# Altium PCB drac_v3.PcbDoc (part 4 of 5) (continued)
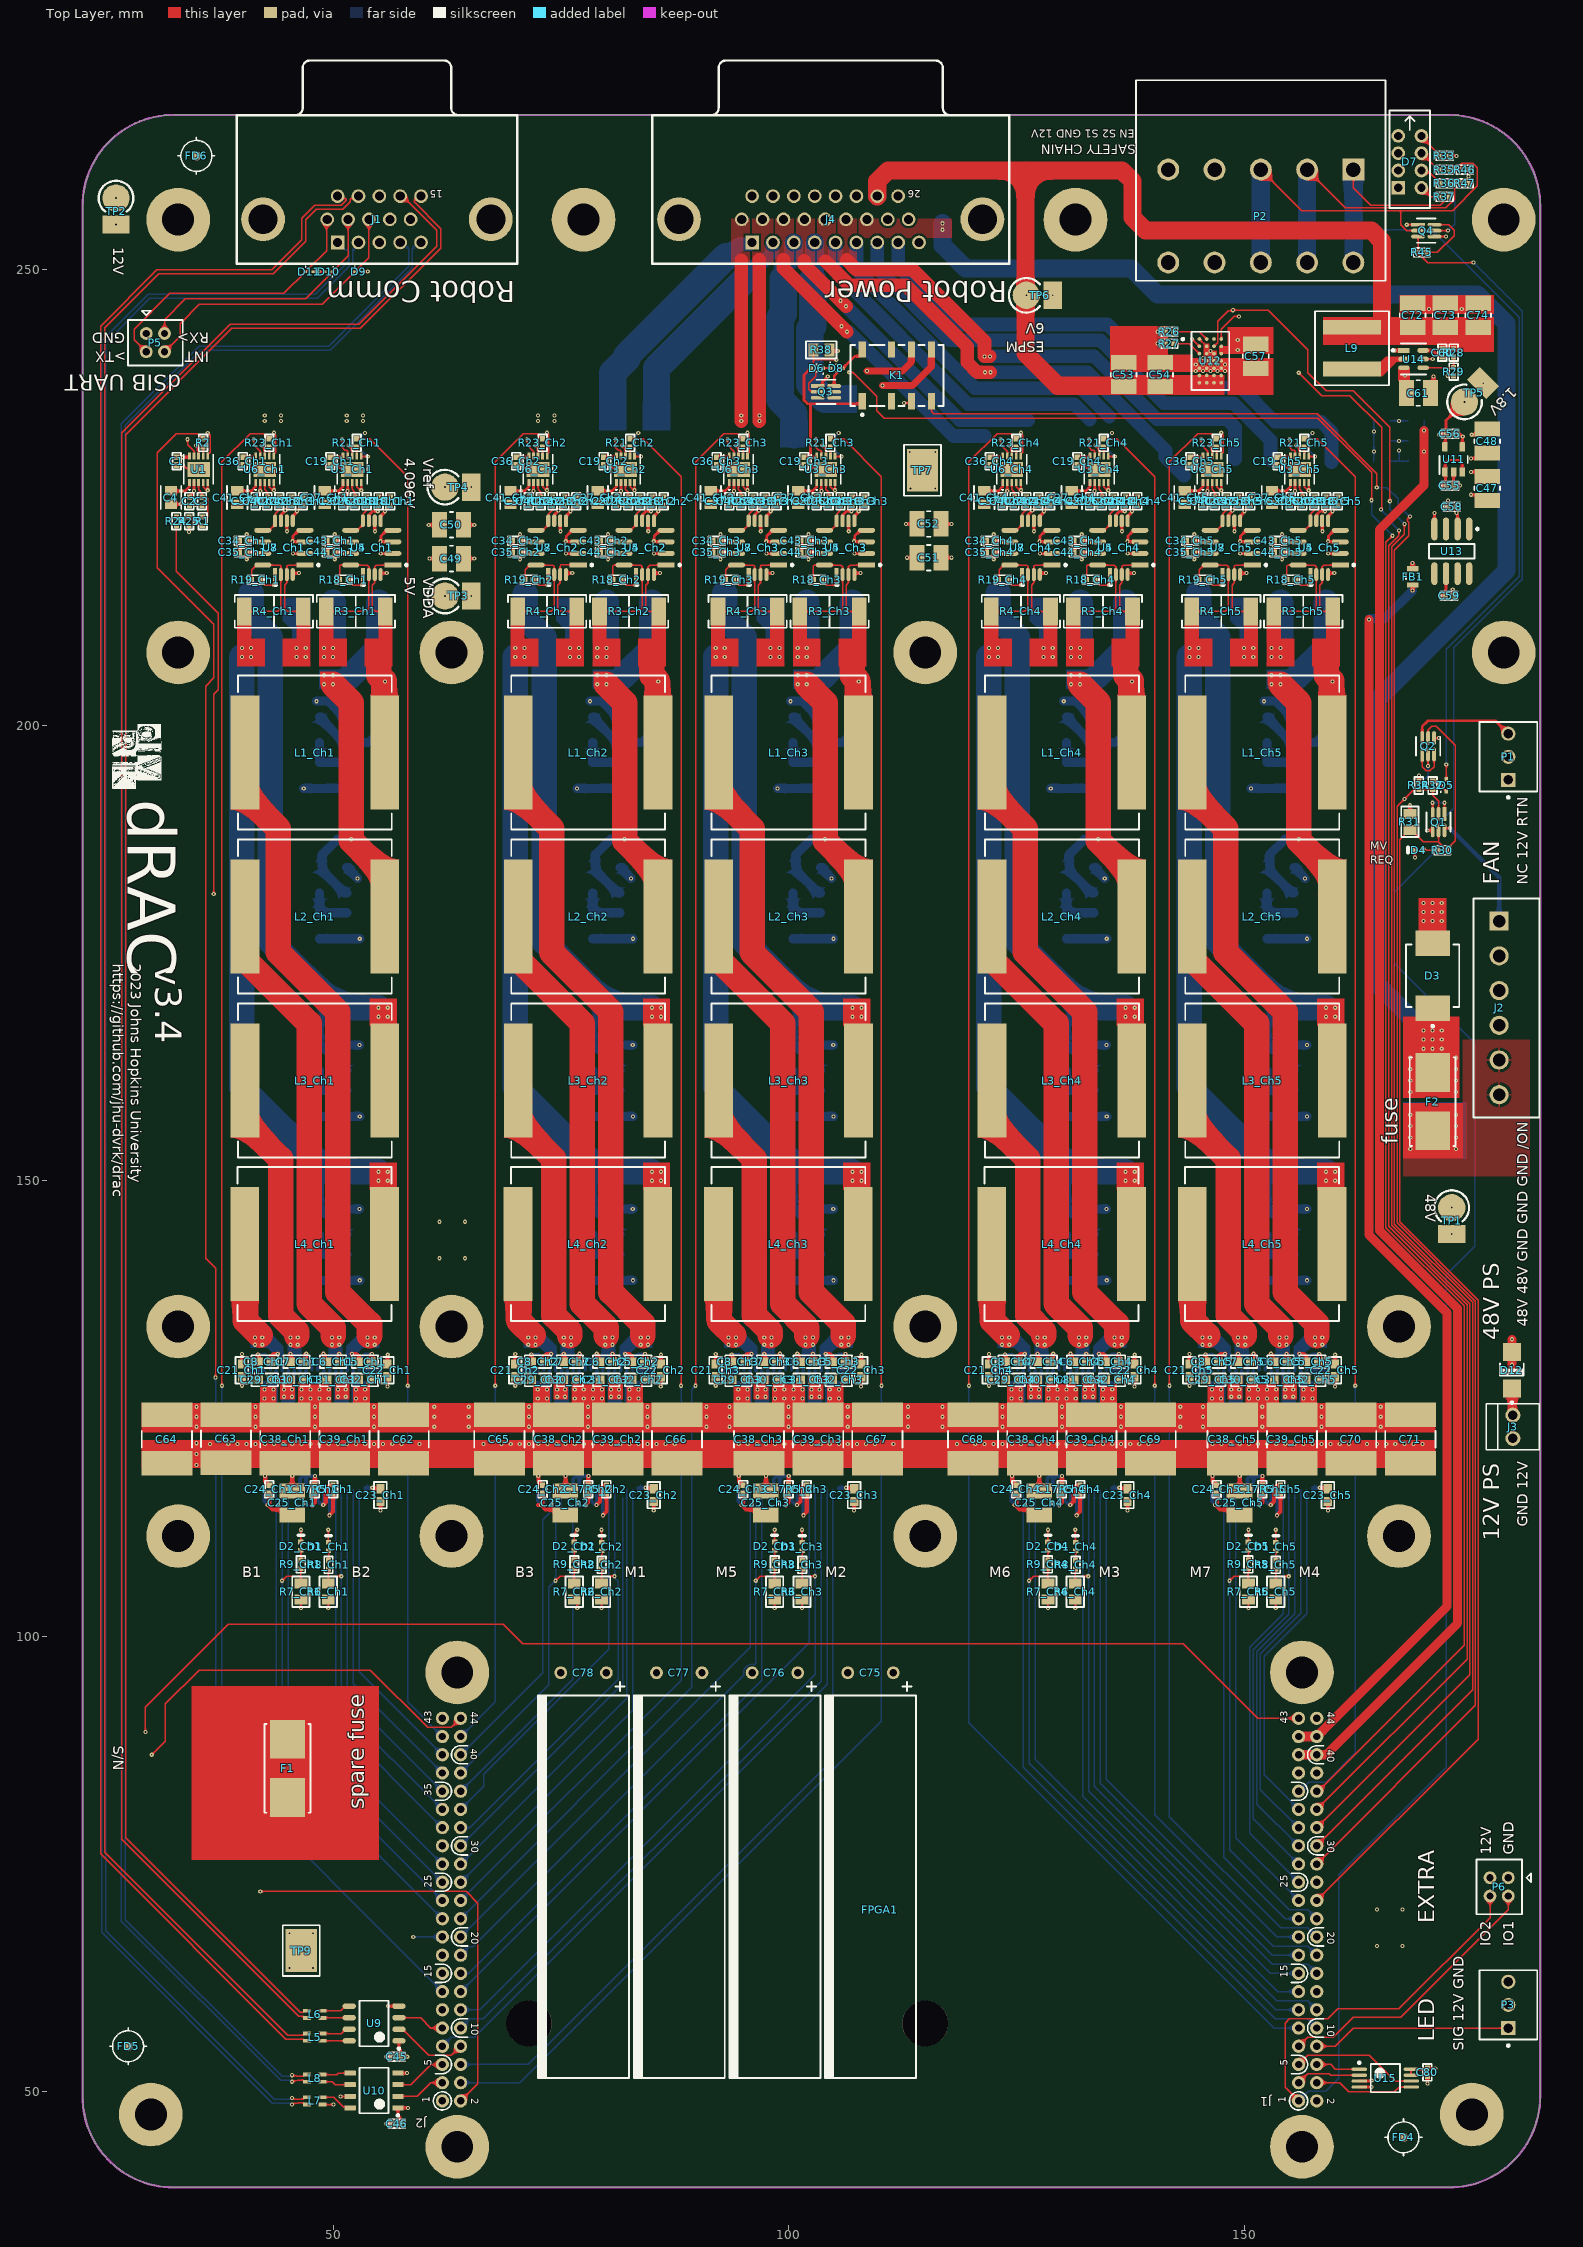
[diagram p0: Top Layer view]
## Nets (pads, with @x,y where several pads share a name; then routed paths per layer and width w, separated by ;. In a path a pad name is that pad's centre, name@x,y a point inside that pad or via, vN(x,y) a via of type N, cw(c..) or ccw(c..) an arc to the next point about the centre after c; other vN are vias at no path point) (continued)
NetD1_Ch1_1: D1_Ch1.1 R8_Ch1.1 | length 1.1
  Top Layer w0.152: R8_Ch1.1@49.5,108.304 D1_Ch1.1@49.5,109.402
NetD1_Ch2_1: D1_Ch2.1 R8_Ch2.1 | length 1.1
  Top Layer w0.152: R8_Ch2.1@79.5,108.304 D1_Ch2.1@79.5,109.402
NetD1_Ch3_1: D1_Ch3.1 R8_Ch3.1 | length 1.1
  Top Layer w0.152: R8_Ch3.1@101.5,108.304 D1_Ch3.1@101.5,109.402
NetD1_Ch4_1: D1_Ch4.1 R8_Ch4.1 | length 1.1
  Top Layer w0.152: R8_Ch4.1@131.5,108.304 D1_Ch4.1@131.5,109.402
NetD1_Ch5_1: D1_Ch5.1 R8_Ch5.1 | length 1.1
  Top Layer w0.152: R8_Ch5.1@153.5,108.304 D1_Ch5.1@153.5,109.402
NetD2_Ch1_1: D2_Ch1.1 R9_Ch1.1 | length 1.1
  Top Layer w0.152: R9_Ch1.1@46.475,108.354 D2_Ch1.1@46.475,109.452
NetD2_Ch2_1: D2_Ch2.1 R9_Ch2.1 | length 1.1
  Top Layer w0.152: R9_Ch2.1@76.475,108.354 D2_Ch2.1@76.475,109.452
NetD2_Ch3_1: D2_Ch3.1 R9_Ch3.1 | length 1.1
  Top Layer w0.152: R9_Ch3.1@98.475,108.354 D2_Ch3.1@98.475,109.452
NetD2_Ch4_1: D2_Ch4.1 R9_Ch4.1 | length 1.1
  Top Layer w0.152: R9_Ch4.1@128.475,108.354 D2_Ch4.1@128.475,109.452
NetD2_Ch5_1: D2_Ch5.1 R9_Ch5.1 | length 1.1
  Top Layer w0.152: R9_Ch5.1@150.475,108.354 D2_Ch5.1@150.475,109.452
NetD4_1: D4.1 R30.1 | length 1.6
  Top Layer w0.152: D4.1@169.65,186.3 R30.1@171.296,186.3
NetD5_1: D5.1 R32.2 | length 2
  Top Layer w0.152: R32.2@170.7,193.852 170.733,193.82 171.12,193.82 172.033,192.907 172.073,192.907 172.2,192.78 D5.1@172.2,192.74
NetD5_2: D5.2 P2.1 P2.6 R37.2 | length 100.1
  Top Layer w0.152: P2.1@162,261 162,259 163.9,257.1 171.554,257.1 172.452,257.998 R37.2@172.452,258 ; D5.2@172.2,194.1 D5.2@172.2,194.06 v1(172.2,195.7)
  Bottom Layer w0.152: 162,254.4 170.6,254.4 180.226,244.774 180.226,216.351 172.2,208.324 v1(172.2,195.7)
  Bottom Layer w2: P2.6@162,250.8 162,254.4 P2.1@162,261
NetD6_1: D6.1 D8.1 | length 0.8
  Top Layer w0.152: D6.1@103.76,239.2 D8.1@104.6,239.2
NetD7_2: D7.2 R37.1 | length 2.5
  Top Layer w0.152: D7.2@169.462,259 170.462,258 R37.1@171.548,258
NetD7_4: D7.4 R36.1 | length 2.7
  Top Layer w0.152: D7.4@169.462,260.9 169.72,260.642 170.408,260.642 171.548,259.502 R36.1@171.548,259.5
NetD7_6: D7.6 R35.1 | length 2.8
  Top Layer w0.152: D7.6@169.462,262.8 171.124,261.137 171.41,261.137 R35.1@171.548,261
NetD7_8: D7.8 R33.1 | length 3.1
  Top Layer w0.152: D7.8@169.462,264.7 169.462,264.588 171.548,262.502 R33.1@171.548,262.5
NetD8_2: D8.2 K1.8 Q3.6 | length 5.7
  Top Layer w0.3: Q3.6@105.001,237.25 105.001,238.321 105.88,239.2 D8.2@105.92,239.2 105.96,239.2 107.26,240.5 107.85,240.5 108.1,240.75 K1.8@108.1,241.25
NetF2_1: F2.1 J2.5 J2.6
  other v1: 168.25,153.5 173.25,153.5 168.25,154.75 173.25,154.75 168.25,156 173.25,156 168.25,157.25 173.25,157.25
NetJ2_1: J2.1 Q1.6 | length 13.2
  Top Layer w0.152: Q1.6@172,188.466 172,188.577 172.123,188.7 v1(172.6,188.7)
  Bottom Layer w0.5: v1(172.6,188.7) 178,183.3 J2.1@178,178.5
NetL5_1: L5.1 U9.8 | length 2.9
  Top Layer w0.152: L5.1@48.85,55.6 48.855,55.595 U9.8@51.775,55.595
NetL5_4: L5.4 U9.7 | length 3.1
  Top Layer w0.152: L5.4@48.85,56.4 50.885,56.4 51.35,56.865 U9.7@51.775,56.865
NetL6_1: L6.1 U9.6 | length 2.9
  Top Layer w0.152: L6.1@48.85,58.1 48.885,58.135 U9.6@51.775,58.135
NetL6_4: L6.4 U9.5 | length 3.1
  Top Layer w0.152: L6.4@48.85,58.9 50.845,58.9 51.35,59.405 U9.5@51.775,59.405
NetL7_1: L7.1 U10.7 | length 3.5
  Top Layer w0.152: L7.1@48.85,48.6 v1(50.05,48.6) ; v1(50.822,49.472) 51.839,49.472 U10.7@51.875,49.508
  Mid Layer 2 w0.152: v1(50.05,48.6) 50.05,48.65 50.822,49.422 v1(50.822,49.472)
NetL7_4: L7.4 U10.8 | length 3.5
  Top Layer w0.152: L7.4@48.85,49.4 50.072,49.4 51.134,48.338 51.775,48.338 U10.8@51.875,48.238
NetL8_1: L8.1 U10.6 | length 3.2
  Top Layer w0.152: L8.1@48.85,51.1 49.925,51.1 50.247,50.778 U10.6@51.875,50.778
NetL8_4: L8.4 U10.5 | length 3.1
  Top Layer w0.152: L8.4@48.85,51.9 50.425,51.9 50.573,52.048 U10.5@51.875,52.048
NetL9_1: L9.1 U14.2
NetP1_3: P1.3 Q2.6 | length 11.6
  Top Layer w0.3: Q2.6@169.55,198.601 169.55,199.85 170.2,200.5 177.58,200.5 P1.3@179,199.08
NetQ1_1: Q1.1 Q1.3 | length 3.8
  Top Layer w0.152: Q1.3@170.7,190.268 v1(170.7,191.5) ; Q1.1@172,190.268 v1(172,191.5)
  Bottom Layer w0.152: v1(170.7,191.5) v1(172,191.5)
NetQ2_1: Q2.1 Q2.3 | length 4.4
  Top Layer w0.152: Q2.1@169.55,196.799 169.55,195.45 170,195 170.4,195 170.85,195.45 Q2.3@170.85,196.799
NetQ4_6: Q4.6 R45.1 | length 6.9
  Top Layer w0.152: R45.1@169.952,251.9 171.212,251.9 173.05,253.738 173.05,254.35 172.45,254.95 Q4.6@170.901,254.95
NetR2_2: R2.2 U1.7 | length 1
  Top Layer w0.152: U1.7@35.737,229.502 R2.2@35.737,230.548
NetR5_Ch1_1: R5_Ch1.1 U2_Ch1.7 | length 5.4
  Top Layer w0.45: v1(49.625,113.279) 49.625,113.32 50,113.695 R5_Ch1.1@50,115.696
  Bottom Layer w0.394: v1@49.625,113.297 U2_Ch1.7@49.625,116.148
NetR5_Ch2_1: R5_Ch2.1 U2_Ch2.7 | length 5.4
  Top Layer w0.45: v1(79.625,113.279) 79.625,113.32 80,113.695 R5_Ch2.1@80,115.696
  Bottom Layer w0.394: v1@79.625,113.297 U2_Ch2.7@79.625,116.148
NetR5_Ch3_1: R5_Ch3.1 U2_Ch3.7 | length 5.4
  Top Layer w0.45: v1(101.625,113.279) 101.625,113.32 102,113.695 R5_Ch3.1@102,115.696
  Bottom Layer w0.394: v1@101.625,113.297 U2_Ch3.7@101.625,116.148
NetR5_Ch4_1: R5_Ch4.1 U2_Ch4.7 | length 5.4
  Top Layer w0.45: v1(131.625,113.279) 131.625,113.32 132,113.695 R5_Ch4.1@132,115.696
  Bottom Layer w0.394: v1@131.625,113.297 U2_Ch4.7@131.625,116.148
NetR5_Ch5_1: R5_Ch5.1 U2_Ch5.7 | length 5.4
  Top Layer w0.45: v1(153.625,113.279) 153.625,113.32 154,113.695 R5_Ch5.1@154,115.696
  Bottom Layer w0.394: v1@153.625,113.297 U2_Ch5.7@153.625,116.148
NetR21_Ch1_2: R21_Ch1.2 U3_Ch1.7 | length 1
  Top Layer w0.152: U3_Ch1.7@52.6,229.502 R21_Ch1.2@52.6,230.5
NetR21_Ch2_2: R21_Ch2.2 U3_Ch2.7 | length 1
  Top Layer w0.152: U3_Ch2.7@82.6,229.502 R21_Ch2.2@82.6,230.5
NetR21_Ch3_2: R21_Ch3.2 U3_Ch3.7 | length 1
  Top Layer w0.152: U3_Ch3.7@104.6,229.502 R21_Ch3.2@104.6,230.5
NetR21_Ch4_2: R21_Ch4.2 U3_Ch4.7 | length 1
  Top Layer w0.152: U3_Ch4.7@134.6,229.502 R21_Ch4.2@134.6,230.5
NetR21_Ch5_2: R21_Ch5.2 U3_Ch5.7 | length 1
  Top Layer w0.152: U3_Ch5.7@156.6,229.502 R21_Ch5.2@156.6,230.5
NetR23_Ch1_2: R23_Ch1.2 U6_Ch1.7 | length 1
  Top Layer w0.152: U6_Ch1.7@43,229.502 R23_Ch1.2@43,230.5
NetR23_Ch2_2: R23_Ch2.2 U6_Ch2.7 | length 1
  Top Layer w0.152: U6_Ch2.7@73,229.502 R23_Ch2.2@73,230.5
NetR23_Ch3_2: R23_Ch3.2 U6_Ch3.7 | length 1
  Top Layer w0.152: U6_Ch3.7@95,229.502 R23_Ch3.2@95,230.5
NetR23_Ch4_2: R23_Ch4.2 U6_Ch4.7 | length 1
  Top Layer w0.152: U6_Ch4.7@125,229.502 R23_Ch4.2@125,230.5
NetR23_Ch5_2: R23_Ch5.2 U6_Ch5.7 | length 1
  Top Layer w0.152: U6_Ch5.7@147,229.502 R23_Ch5.2@147,230.5
NetR26_2: R26.2 U12.A2 | length 4
  Top Layer w0.152: R26.2@142.252,243.2 145.1,243.2 U12.A2@145.9,242.4
NetR27_1: R27.1 U12.C1 | length 3.3
  Top Layer w0.152: R27.1@142.252,241.9 144,241.9 U12.C1@145.1,240.8
NetR28_2: R28.2 R29.2 U14.4 | length 4.5
  Top Layer w0.152: U14.4@169.65,239.25 172.972,239.25 R29.2@173,239.278 R28.2@173,240.448
  Top Layer w0.4: R28.2@172.998,240.448 R28.2@173,240.448
nFAULT1: FPGA1.81 U2_Ch1.3 | length 35.2
  Bottom Layer w0.152: U2_Ch1.3@52.225,116.148 52.225,101.725 52.225,94.775 FPGA1.81@62,85
nFAULT2: FPGA1.72 U2_Ch2.3 | length 48.7
  Bottom Layer w0.152: FPGA1.72@64,75 82.225,93.225 82.225,101.725 U2_Ch2.3@82.225,116.148
nFAULT3: FPGA1.51 U2_Ch3.3 | length 80.1
  Bottom Layer w0.152: FPGA1.51@62,55 63,56 65.5,56 104.225,94.725 104.225,101.725 U2_Ch3.3@104.225,116.148
nFAULT4: FPGA1.17 U2_Ch4.3 | length 61.8
  Bottom Layer w0.152: U2_Ch4.3@134.225,116.148 134.225,83.875 153.1,65 FPGA1.17@155.98,65
nFAULT5: FPGA1.31 U2_Ch5.3 | length 40.7
  Bottom Layer w0.152: FPGA1.31@155.98,79 151.8,83.18 151.8,98.1 156.225,102.525 U2_Ch5.3@156.225,116.148
nOTW1: FPGA1.83 U2_Ch1.2 | length 32.9
  Bottom Layer w0.152: U2_Ch1.2@52.875,116.148 52.875,101.875 52.875,96.125 FPGA1.83@62,87
nOTW2: FPGA1.70 U2_Ch2.2 | length 51
  Bottom Layer w0.152: FPGA1.70@64,73 82.875,91.875 82.875,101.875 U2_Ch2.2@82.875,116.148
nOTW3: FPGA1.50 U2_Ch3.2 | length 84.4
  Bottom Layer w0.152: FPGA1.50@64,53 71.4,53 104.875,86.475 U2_Ch3.2@104.875,116.148
nOTW4: FPGA1.18 U2_Ch4.2 | length 62.9
  Bottom Layer w0.152: U2_Ch4.2@134.875,116.148 134.875,84.325 153.2,66 156.98,66 FPGA1.18@157.98,65
nOTW5: FPGA1.33 U2_Ch5.2 | length 38.7
  Bottom Layer w0.152: FPGA1.33@155.98,81 152.2,84.78 152.2,97.8 156.875,102.475 U2_Ch5.2@156.875,116.148
nRESET1_1: FPGA1.77 R6_Ch1.2 R8_Ch1.2 U2_Ch1.5 | length 42.8
  Top Layer w0.152: R6_Ch1.2@49.475,105.778 49.475,106.576 ; R8_Ch1.2@49.5,107.4 49.475,107.375 49.475,106.576 ; v1(50.9,106.6) 49.499,106.6 49.475,106.576
  Bottom Layer w0.152: U2_Ch1.5@50.925,116.148 50.925,101.625 50.925,92.075 FPGA1.77@62,81
nRESET1_2: FPGA1.76 R6_Ch2.2 R8_Ch2.2 U2_Ch2.5 | length 48.1
  Top Layer w0.152: R6_Ch2.2@79.475,105.778 79.475,106.576 ; R8_Ch2.2@79.5,107.4 79.475,107.375 79.475,106.576 ; v1(80.9,106.6) 79.499,106.6 79.475,106.576
  Bottom Layer w0.152: FPGA1.76@64,79 65,79 81.296,95.296 81.296,106.018 80.986,106.327 80.986,106.514 v1(80.9,106.6) ; v1@80.925,106.6 U2_Ch2.5@80.925,116.148
nRESET1_3: FPGA1.56 R6_Ch3.2 R8_Ch3.2 U2_Ch3.5 | length 77.6
  Top Layer w0.152: R6_Ch3.2@101.475,105.778 101.475,106.576 ; R8_Ch3.2@101.5,107.4 101.475,107.375 101.475,106.576 ; v1(102.9,106.6) 101.499,106.6 101.475,106.576
  Bottom Layer w0.152: FPGA1.56@64,59 66.1,59 102.925,95.825 102.925,101.625 102.925,106.6 U2_Ch3.5@102.925,116.148
nRESET1_4: FPGA1.15 R6_Ch4.2 R8_Ch4.2 U2_Ch4.5 | length 67.6
  Top Layer w0.152: R6_Ch4.2@131.475,105.778 131.475,106.576 ; R8_Ch4.2@131.5,107.4 131.475,107.375 131.475,106.576 ; v1(132.9,106.6) 131.499,106.6 131.475,106.576
  Bottom Layer w0.152: U2_Ch4.5@132.925,116.148 132.925,82.975 152.9,63 FPGA1.15@155.98,63
nRESET1_5: FPGA1.27 R6_Ch5.2 R8_Ch5.2 U2_Ch5.5 | length 47.9
  Top Layer w0.152: R6_Ch5.2@153.475,105.778 153.475,106.576 ; R8_Ch5.2@153.5,107.4 153.475,107.375 153.475,106.576 ; v1(154.9,106.6) 153.499,106.6 153.475,106.576
  Bottom Layer w0.152: U2_Ch5.5@154.925,116.148 154.925,106.6 154.925,102.425 151,98.5 151,79.98 FPGA1.27@155.98,75
nRESET2_1: FPGA1.69 R7_Ch1.2 R9_Ch1.2 U2_Ch1.15 | length 54.4
  Top Layer w0.152: v1(44.4,106.1) 44.914,106.614 46.475,106.614 ; R7_Ch1.2@46.475,105.778 46.475,106.614 ; R9_Ch1.2@46.475,107.45 46.475,106.614
  Bottom Layer w0.152: U2_Ch1.15@44.425,116.148 44.425,101.591 44.425,90.575 FPGA1.69@62,73
nRESET2_2: FPGA1.82 R7_Ch2.2 R9_Ch2.2 U2_Ch2.15 | length 39.4
  Top Layer w0.152: v1(74.4,106.1) 74.914,106.614 76.475,106.614 ; R7_Ch2.2@76.475,105.778 76.475,106.614 ; R9_Ch2.2@76.475,107.45 76.475,106.614
  Bottom Layer w0.152: FPGA1.82@64,85 73.7,94.7 73.7,105.4 v1(74.4,106.1) ; v1@74.425,106.1 U2_Ch2.15@74.425,116.148
nRESET2_3: FPGA1.62 R7_Ch3.2 R9_Ch3.2 U2_Ch3.15 | length 69.1
  Top Layer w0.152: v1(96.4,106.1) 96.914,106.614 98.475,106.614 ; R7_Ch3.2@98.475,105.778 98.475,106.614 ; R9_Ch3.2@98.475,107.45 98.475,106.614
  Bottom Layer w0.147: FPGA1.62@64,65 64.947,65.947 65.347,65.947
  Bottom Layer w0.152: 65.347,65.947 95.098,95.698 95.098,95.761 95.098,95.779 cw(c96,96) 96.221,96.902 96.239,96.902 96.302,96.902 96.425,97.025 U2_Ch3.15@96.425,116.148
nRESET2_4: FPGA1.11 R7_Ch4.2 R9_Ch4.2 U2_Ch4.15 | length 74.8
  Top Layer w0.152: v1(126.4,106.1) 126.914,106.614 128.475,106.614 ; R7_Ch4.2@128.475,105.778 128.475,106.614 ; R9_Ch4.2@128.475,107.45 128.475,106.614
  Bottom Layer w0.152: U2_Ch4.15@126.425,116.148 126.425,106.1 126.425,86.075 153.5,59 FPGA1.11@155.98,59
nRESET2_5: FPGA1.22 R7_Ch5.2 R9_Ch5.2 U2_Ch5.15 | length 56.2
  Top Layer w0.152: v1(148.4,106.1) 148.914,106.614 150.475,106.614 ; R7_Ch5.2@150.475,105.778 150.475,106.614 ; R9_Ch5.2@150.475,107.45 150.475,106.614
  Bottom Layer w0.152: U2_Ch5.15@148.425,116.148 148.425,106.1 148.425,76.555 154.98,70 156.98,70 FPGA1.22@157.98,69
PWM1_N1: FPGA1.79 U2_Ch1.4 | length 37.5
  Bottom Layer w0.152: U2_Ch1.4@51.575,116.148 51.575,101.625 ; 51.6,101.6 51.575,101.625 ; FPGA1.79@62,83 51.575,93.425 51.575,101.625
PWM1_N2: FPGA1.74 U2_Ch2.4 | length 45.6
  Bottom Layer w0.152: FPGA1.74@64,77 81.8,94.8 81.8,115.235
PWM1_N3: FPGA1.54 U2_Ch3.4 | length 76.4
  Bottom Layer w0.152: FPGA1.54@64,57 65,58 66.5,58 103.575,95.075 103.575,101.625 103.575,101.8 U2_Ch3.4@103.575,116.148
PWM1_N4: FPGA1.16 U2_Ch4.4 | length 65.6
  Bottom Layer w0.152: U2_Ch4.4@133.575,116.148 133.575,101.625 ; 133.6,101.6 133.575,101.625 ; FPGA1.16@157.98,63 156.98,64 153.1,64 133.575,83.525 133.575,101.625
PWM1_N5: FPGA1.29 U2_Ch5.4 | length 42.8
  Bottom Layer w0.152: U2_Ch5.4@155.575,116.148 155.575,102.475 151.4,98.3 151.4,81.58 FPGA1.29@155.98,77
PWM1_P1: FPGA1.75 U2_Ch1.6 | length 42
  Bottom Layer w0.152: U2_Ch1.6@50.275,116.148 50.275,101.625 50.275,90.725 FPGA1.75@62,79
PWM1_P2: FPGA1.78 U2_Ch2.6 | length 41.9
  Bottom Layer w0.152: FPGA1.78@64,81 66.551,83.551 66.551,84.851 80.275,98.575 U2_Ch2.6@80.275,116.148
PWM1_P3: FPGA1.58 U2_Ch3.6 | length 71
  Bottom Layer w0.152: FPGA1.58@64,61 102.275,99.275 102.275,101.625 U2_Ch3.6@102.275,116.148
PWM1_P4: FPGA1.13 U2_Ch4.6 | length 66.3
  Bottom Layer w0.152: U2_Ch4.6@132.275,116.148 132.275,82.425 153.7,61 FPGA1.13@155.98,61
PWM1_P5: FPGA1.25 U2_Ch5.6 | length 46.9
  Bottom Layer w0.152: U2_Ch5.6@154.275,116.148 154.275,102.5 150.6,98.825 150.6,78.38 FPGA1.25@155.98,73
PWM2_N1: FPGA1.71 U2_Ch1.14 | length 48.2
  Bottom Layer w0.152: U2_Ch1.14@45.075,116.148 45.075,101.625 45.075,91.925 FPGA1.71@62,75
PWM2_N2: FPGA1.80 U2_Ch2.14 | length 38.8
  Bottom Layer w0.152: FPGA1.80@64,83 76.3,95.3 76.3,113 75.075,114.225 U2_Ch2.14@75.075,116.148
PWM2_N3: FPGA1.60 U2_Ch3.14 | length 67.4
  Bottom Layer w0.152: FPGA1.60@64,63 64.9,63 97.075,95.175 97.075,101.625 U2_Ch3.14@97.075,116.148
PWM2_N4: FPGA1.12 U2_Ch4.14 | length 71.9
  Bottom Layer w0.152: U2_Ch4.14@127.075,116.148 127.075,86.525 153.6,60 156.98,60 FPGA1.12@157.98,59
PWM2_N5: FPGA1.23 U2_Ch5.14 | length 48
  Bottom Layer w0.152: U2_Ch5.14@149.075,116.148 149.075,77.905 FPGA1.23@155.98,71
PWM2_P1: FPGA1.67 U2_Ch1.16 | length 52.7
  Bottom Layer w0.152: U2_Ch1.16@43.775,116.148 43.775,101.625 43.775,89.225 FPGA1.67@62,71
PWM2_P2: FPGA1.84 U2_Ch2.16 | length 33.2
  Bottom Layer w0.152: FPGA1.84@64,87 73,96 73,112.8 73.775,113.575 U2_Ch2.16@73.775,116.148
PWM2_P3: FPGA1.64 U2_Ch3.16 | length 62.3
  Bottom Layer w0.152: FPGA1.64@64,67 95.775,98.775 95.775,101.9 U2_Ch3.16@95.775,116.148
PWM2_P4: FPGA1.10 U2_Ch4.16 | length 74.6
  Bottom Layer w0.152: U2_Ch4.16@125.775,116.148 125.775,85.625 153.4,58 156.98,58 FPGA1.10@157.98,57
PWM2_P5: FPGA1.21 U2_Ch5.16 | length 51.4
  Bottom Layer w0.152: U2_Ch5.16@147.775,116.148 147.775,75.725 154.5,69 FPGA1.21@155.98,69
RCLK_N: J1.12 L5.3 | length 233.4
  Top Layer w0.152: L5.3@47.15,56.4 46.9,56.4 46.718,56.218 45.011,56.218 24.936,76.293 24.936,243.636 30.851,249.551 43.432,249.551 47,253.119 47,255.5 48.164,256.664 51.085,256.664 51.863,257.442 51.863,257.749 51.952,257.839 52.549,257.839 J1.12@52.79,258.08
RCLK_P: J1.11 L5.2 | length 234.1
  Top Layer w0.152: L5.2@47.15,55.6 46.9,55.6 46.718,55.782 44.83,55.782 24.5,76.112 24.5,243.817 30.671,249.987 43.251,249.987 46.564,253.3 46.564,255.681 47.983,257.1 50.904,257.1 51.427,257.623 51.427,257.749 51.338,257.839 50.741,257.839 J1.11@50.5,258.08
RDAT_N: J1.15 L6.3 | length 232.4
  Top Layer w0.152: L6.3@47.15,58.9 46.9,58.9 46.718,58.718 46.395,58.718 27.236,77.877 27.236,231.919 38.881,243.564 52.981,243.564 61.8,252.383 61.8,254.531 58.886,257.445 58.886,257.571 59.395,258.08 J1.15@59.66,258.08
RDAT_P: J1.14 L6.2 | length 233.2
  Top Layer w0.152: L6.2@47.15,58.1 46.9,58.1 46.718,58.282 46.214,58.282 26.8,77.696 26.8,232.1 38.7,244 52.8,244 61.364,252.564 61.364,254.351 57.635,258.08 J1.14@57.37,258.08
RELAY-ON: FPGA1.36 Q3.2 R38.2 | length 229.6
  Top Layer w0.152: R38.2@102.724,241.2 102.724,240.126 ; Q3.2@103.199,236.6 103.149,236.65 102.457,236.65 102.2,236.907 102.2,237.536 103,238.336 103,239.4 102.909,239.491 102.909,239.495 102.724,239.679 102.724,240.126 ; v1(105.243,240.126) 102.724,240.126 ; v1(106.655,238.76) 106.685,238.729 107.066,238.729 109.7,236.096 109.7,234.5 110.5,233.7 158.064,233.7 164,227.764 v1(164,224.7) ; FPGA1.36@157.98,83 158.161,83 174.176,99.015 174.176,136.269 165.576,144.869 165.576,220.076 v1(166.3,220.8)
  Mid Layer 2 w0.152: v1(105.243,240.126) 105.266,240.126 106.632,238.76 v1(106.655,238.76)
  Bottom Layer w0.152: v1(164,224.7) 164,223.1 v1(166.3,220.8)
S1: K1.5 P2.3 P2.8 Q4.2 R35.2 R46.2 | length 109
  Top Layer w0.152: P2.3@151.515,261.325 156.35,256.49 167.2,256.49 ; Q4.2@169.099,254.3 167.853,254.3 167.2,254.953 167.2,256.49 ; R35.2@172.452,261 R46.2@173.748,261 173.748,261.548 173.9,261.7 175.1,261.7 175.6,261.2 175.6,259.2 172.89,256.49 167.2,256.49
  Top Layer w0.75: v1(110.3,237.3) 113.6,237.3 115.675,239.375 115.675,241.225 K1.5@115.7,241.25
  Mid Layer 2 w2: v1(110.3,237.3) 115.3,242.3 132,242.3 138.4,248.7 138.4,253.028 139.572,254.2 150.6,254.2 151.84,252.96 P2.8@151.84,250.8
  Bottom Layer w2: P2.8@151.84,250.8 P2.3@151.84,261
S2: K1.6 P2.2 P2.7 Q4.5 R36.2 R47.2 | length 111.2
  Top Layer w0.152: P2.2@156.605,261.315 161.125,256.795 172.141,256.795 173.1,257.754 v1(173.1,259.5) ; Q4.5@170.901,254.3 v1(172.4,254.3) ; R36.2@172.452,259.5 R36.2@172.452,259.5 v1(173.1,259.5) ; R47.2@173.748,259.5 v1(173.1,259.5)
  Top Layer w0.75: v1(108.6,238.9) 112.5,238.9 113.475,239.875 113.475,241.225 K1.6@113.5,241.25
  Mid Layer 2 w2: v1(108.6,238.9) 108.856,238.9 114.408,244.452 131.108,244.452 136.248,249.592 136.248,259.548 140.4,263.7 154.22,263.7 P2.2@156.92,261
  Bottom Layer w0.152: v1(172.4,254.3) 173.1,255 v1(173.1,259.5)
  Bottom Layer w2: P2.7@156.92,250.8 P2.2@156.92,261
SAFETY_CHAIN_EN_SENSE: FPGA1.28 Q1.2 Q2.2 R32.1 R34.2 | length 140.4
  Top Layer w0.152: FPGA1.28@157.98,75 175.395,92.415 175.395,136.774 166.795,145.374 166.795,191.095 v1(167.6,191.9) ; v1@167.65,191.95 168.648,192.948 R34.2@169.2,192.948 R32.1@170.7,192.948 170.7,192.3 171.35,191.65 Q1.2@171.35,190.268 ; v1(170.2,195.544) Q2.2@170.2,196.799
  Bottom Layer w0.152: v1(167.6,191.9) 170.2,194.5 v1(170.2,195.544)
SAFETY_CHAIN_S_SENSE: FPGA1.1 P6.4 Q4.3 R45.2 | length 269.8
  Top Layer w0.152: FPGA1.1@155.98,49 154.5,50.48 154.5,57.52 154.98,58 159.2,58 160.3,59.1 167,59.1 177,69.1 P6.4@177,71.5 ; Q4.3@169.099,253.65 169.099,251.951 R45.2@169.048,251.9 169.048,251.898 170.146,250.8 v1(175.2,250.8)
  Bottom Layer w0.152: FPGA1.1@155.98,49 157.027,50.048 158.948,50.048 160.4,51.5 160.4,73.8 172.2,85.6 172.2,139.7 175.3,142.8 175.3,165.1 166.5,173.9 166.5,181.7 171.35,186.55 171.35,189.25 173,190.9 173,208.5 180.531,216.031 180.531,245.469 v1(175.2,250.8)
SCLK_EEPROM: FPGA1.5 U15.6 | length 14
  Top Layer w0.152: FPGA1.5@155.98,53 156.98,54 163.75,54 166.575,51.175 U15.6@168.35,51.175
SPARE: FPGA1.7 P6.3 | length 30.7
  Top Layer w0.152: FPGA1.7@155.98,55 156.98,56 159.8,56 162,58.2 167.2,58.2 179,70 P6.3@179,71.5
TCLK_N: J1.2 L7.3 | length 237.6
  Top Layer w0.152: v1(45.5,49.327) 45.628,49.327 45.788,49.167 45.99,49.167 46.027,49.204 46.704,49.204 46.9,49.4 L7.3@47.15,49.4
  Bottom Layer w0.152: v1(45.5,49.327) 45.379,49.327 45.233,49.182 43.518,49.182 25.028,67.672 25.028,242.003 29.889,246.864 48.252,246.864 52.136,250.748 52.136,252.11 52.79,252.764 J1.2@52.79,253
TCLK_P: J1.1 L7.2 | length 238.7
  Top Layer w0.152: v1(45.5,48.6) 45.628,48.6 45.788,48.76 46.159,48.76 46.196,48.796 46.704,48.796 46.9,48.6 L7.2@47.15,48.6
  Bottom Layer w0.152: v1(45.5,48.6) 45.379,48.6 45.233,48.745 43.338,48.745 24.592,67.491 24.592,242.184 29.708,247.3 48.071,247.3 51.7,250.929 51.7,252.034 51.557,252.178 51.322,252.178 J1.1@50.5,253
TDAT_N: J1.5 L8.3 | length 233.3
  Top Layer w0.152: v1(45.5,51.827) 45.577,51.75 45.99,51.75 46.037,51.704 46.704,51.704 46.9,51.9 L8.3@47.15,51.9
  Bottom Layer w0.152: v1(45.5,51.827) 45.379,51.827 45.233,51.682 44.419,51.682 27.2,68.9 27.2,232.924 35.469,241.192 49.692,241.192 58.719,250.219 58.719,252.319 59.4,253 J1.5@59.66,253
TDAT_P: J1.4 L8.2 | length 234
  Top Layer w0.152: v1(45.5,51.1) 45.591,51.191 45.972,51.191 46.078,51.296 46.704,51.296 46.9,51.1 L8.2@47.15,51.1
  Bottom Layer w0.152: v1(45.5,51.1) 45.379,51.1 45.233,51.245 44.238,51.245 26.764,68.719 26.764,233.104 35.288,241.628 49.512,241.628 58.283,250.399 58.283,252.317 57.6,253 J1.4@57.37,253
VDD: C1.1 C19_Ch1.1 C19_Ch2.1 C19_Ch3.1 C19_Ch4.1 C19_Ch5.1 C36_Ch1.1 C36_Ch2.1 C36_Ch3.1 C36_Ch4.1 C36_Ch5.1 C45.2 C46.2 C80.1 D6.2 FPGA1.39 FPGA1.40 K1.1 R39.2 R40.2 R41.2 U1.10 U3_Ch1.10 U3_Ch2.10 U3_Ch3.10 U3_Ch4.10 U3_Ch5.10 U6_Ch1.10 U6_Ch2.10 U6_Ch3.10 U6_Ch4.10 U6_Ch5.10 U9.1 U10.1 U15.3 U15.7 U15.8 | length 207.4
  Top Layer w0.152: U15.7@168.34,51.825 U15.8@168.34,52.465
  Top Layer w0.3: C1.1@32.837,229.429 v1(33.537,229.429) 34.237,229.429 U1.10@34.237,229.502 ; C36_Ch1.1@40.1,229.429 v1(40.8,229.429) 41.5,229.429 U6_Ch1.10@41.5,229.502 ; C19_Ch1.1@49.7,229.429 v1(50.4,229.429) 51.1,229.429 U3_Ch1.10@51.1,229.502 ; U9.1@57.225,55.595 57.225,54.775 57.429,54.571 C45.2@57.429,53.843 v1(58.143,53.843) ; C46.2@57.429,46.5 57.336,46.592 57.336,47.236 57.125,47.448 U10.1@57.125,48.238 v1(58.238,48.238) ; C36_Ch2.1@70.1,229.429 v1(70.8,229.429) 71.5,229.429 U6_Ch2.10@71.5,229.502 ; C19_Ch2.1@79.7,229.429 v1(80.4,229.429) 81.1,229.429 U3_Ch2.10@81.1,229.502 ; C36_Ch3.1@92.1,229.429 v1(92.8,229.429) 93.5,229.429 U6_Ch3.10@93.5,229.502 ; C19_Ch3.1@101.7,229.429 v1(102.4,229.429) ; D6.2@102.53,239.25 102.49,239.25 D6.2@102.44,239.2 102.4,239.2 102.35,239.15 102.35,239.11 101.7,238.46 101.7,235.676 102.076,235.3 102.5,235.3 ; U3_Ch3.10@103.1,229.502 103.1,229.429 v1(102.4,229.429) ; K1.1@108.1,235.55 107.85,235.3 102.5,235.3 ; C36_Ch4.1@122.1,229.429 v1(122.8,229.429) 123.5,229.429 U6_Ch4.10@123.5,229.502 ; C19_Ch4.1@131.7,229.429 v1(132.4,229.429) 133.1,229.429 U3_Ch4.10@133.1,229.502 ; C36_Ch5.1@144.1,229.429 v1(144.8,229.429) 145.5,229.429 U6_Ch5.10@145.5,229.502 ; C19_Ch5.1@153.7,229.429 v1(154.4,229.429) 155.1,229.429 U3_Ch5.10@155.1,229.502 ; U15.3@162.65,51.175 162.66,51.185 163.873,51.185 163.938,51.25 v1(164.019,51.25) ; U15.8@168.35,52.475 170.037,52.475 C80.1@170.133,52.571 v1(170.979,52.571) ; v1(102.4,229.429) 102.4,235.2 102.5,235.3
  Top Layer w1: FPGA1.39@155.98,87 FPGA1.40@157.98,87 159,87 173.447,101.447 173.447,135.967 164.847,144.567 164.847,221.447 169.752,226.352 v1(169.752,230.052) v1(169.752,232.352)
  Bottom Layer w0.152: R40.2@169.752,229 v1(169.752,230.052) R41.2@169.752,231.21 v1(169.752,232.352) R39.2@169.752,233.42
  Bottom Layer w0.3: v1(170.979,52.571) v1@171,52.55
VDD1.8: C2.1 C20_Ch1.1 C20_Ch2.1 C20_Ch3.1 C20_Ch4.1 C20_Ch5.1 C37_Ch1.1 C37_Ch2.1 C37_Ch3.1 C37_Ch4.1 C37_Ch5.1 C56.2 TP5.1 U1.2 U3_Ch1.2 U3_Ch2.2 U3_Ch3.2 U3_Ch4.2 U3_Ch5.2 U6_Ch1.2 U6_Ch2.2 U6_Ch3.2 U6_Ch4.2 U6_Ch5.2 U11.5 | length 32.3
  Top Layer w0.3: C2.1@34.237,225.029 34.237,225.05 34.679,225.493 34.679,225.643 v1(34.737,225.7) U1.2@34.737,226.698 ; C37_Ch1.1@41.5,225.029 41.5,225.05 41.943,225.493 41.943,225.643 v1(42,225.7) U6_Ch1.2@42,226.698 ; C20_Ch1.1@51.1,225.029 51.1,225.05 51.543,225.493 51.543,225.643 v1(51.6,225.7) U3_Ch1.2@51.6,226.698 ; C37_Ch2.1@71.5,225.029 71.5,225.05 71.943,225.493 71.943,225.643 v1(72,225.7) U6_Ch2.2@72,226.698 ; C20_Ch2.1@81.1,225.029 81.1,225.05 81.543,225.493 81.543,225.643 v1(81.6,225.7) U3_Ch2.2@81.6,226.698 ; C37_Ch3.1@93.5,225.029 93.5,225.05 93.943,225.493 93.943,225.643 v1(94,225.7) U6_Ch3.2@94,226.698 ; C20_Ch3.1@103.1,225.029 103.1,225.05 103.543,225.493 103.543,225.643 v1(103.6,225.7) U3_Ch3.2@103.6,226.698 ; C37_Ch4.1@123.5,225.029 123.5,225.05 123.943,225.493 123.943,225.643 v1(124,225.7) U6_Ch4.2@124,226.698 ; C20_Ch4.1@133.1,225.029 133.1,225.05 133.543,225.493 133.543,225.643 v1(133.6,225.7) U3_Ch4.2@133.6,226.698 ; C37_Ch5.1@145.5,225.029 145.5,225.05 145.943,225.493 145.943,225.643 v1(146,225.7) U6_Ch5.2@146,226.698 ; C20_Ch5.1@155.1,225.029 155.1,225.05 155.543,225.493 155.543,225.643 v1(155.6,225.7) U3_Ch5.2@155.6,226.698 ; v1(171.4,231.9) 171.438,231.938 C56.2@172.133,231.938 ; U11.5@172.05,230.575 172.1,230.625 172.1,231.905 C56.2@172.133,231.938 ; C56.2@172.186,231.991 C56.2@172.171,231.977 ; TP5.1@174.2,235.5 172.171,233.471 C56.2@172.171,231.977 ; C56.2@172.133,231.938 C56.2@172.171,231.977
  Mid Layer 2 w2: 169.7,227.5 171.4,229.2 v1(171.4,231.9)
VDD5: FB1.1 FPGA1.41 FPGA1.42 | length 140.8
  Top Layer w0.5: v1(168.5,214.8) FB1.1@168.5,215.4
  Top Layer w1: FPGA1.41@155.98,89 FPGA1.42@157.98,89 172.295,103.315 172.295,135.49 163.695,144.09 v1(163.695,211.595)
  Bottom Layer w1: v1(163.695,211.595) 163.8,211.7 165.4,211.7 v1(168.5,214.8)
VDD6: C53.1 C54.1 C60.2 C72.1 C73.1 C74.1 J4.25 L9.2 R28.1 TP6.1 U12.F1 U12.F2 U12.F3 U12.F4 U12.G1 U12.G2 U12.G3 U12.G4 | length 105.3
  Top Layer w2: J4.25@109.74,258.08 109.74,259.728 110.912,260.9 126,260.9 ; C53.1@137.3,237.275 132.3,237.275 129.525,237.275 126,240.8 126,260.9 ; 165.151,243.764 165.151,253.128 163.979,254.3 139.197,254.3 137.744,255.753 137.744,259.728 136.573,260.9 126,260.9